# Altium PCB Main - Backup.PcbDoc (part 1 of 4) (continued)
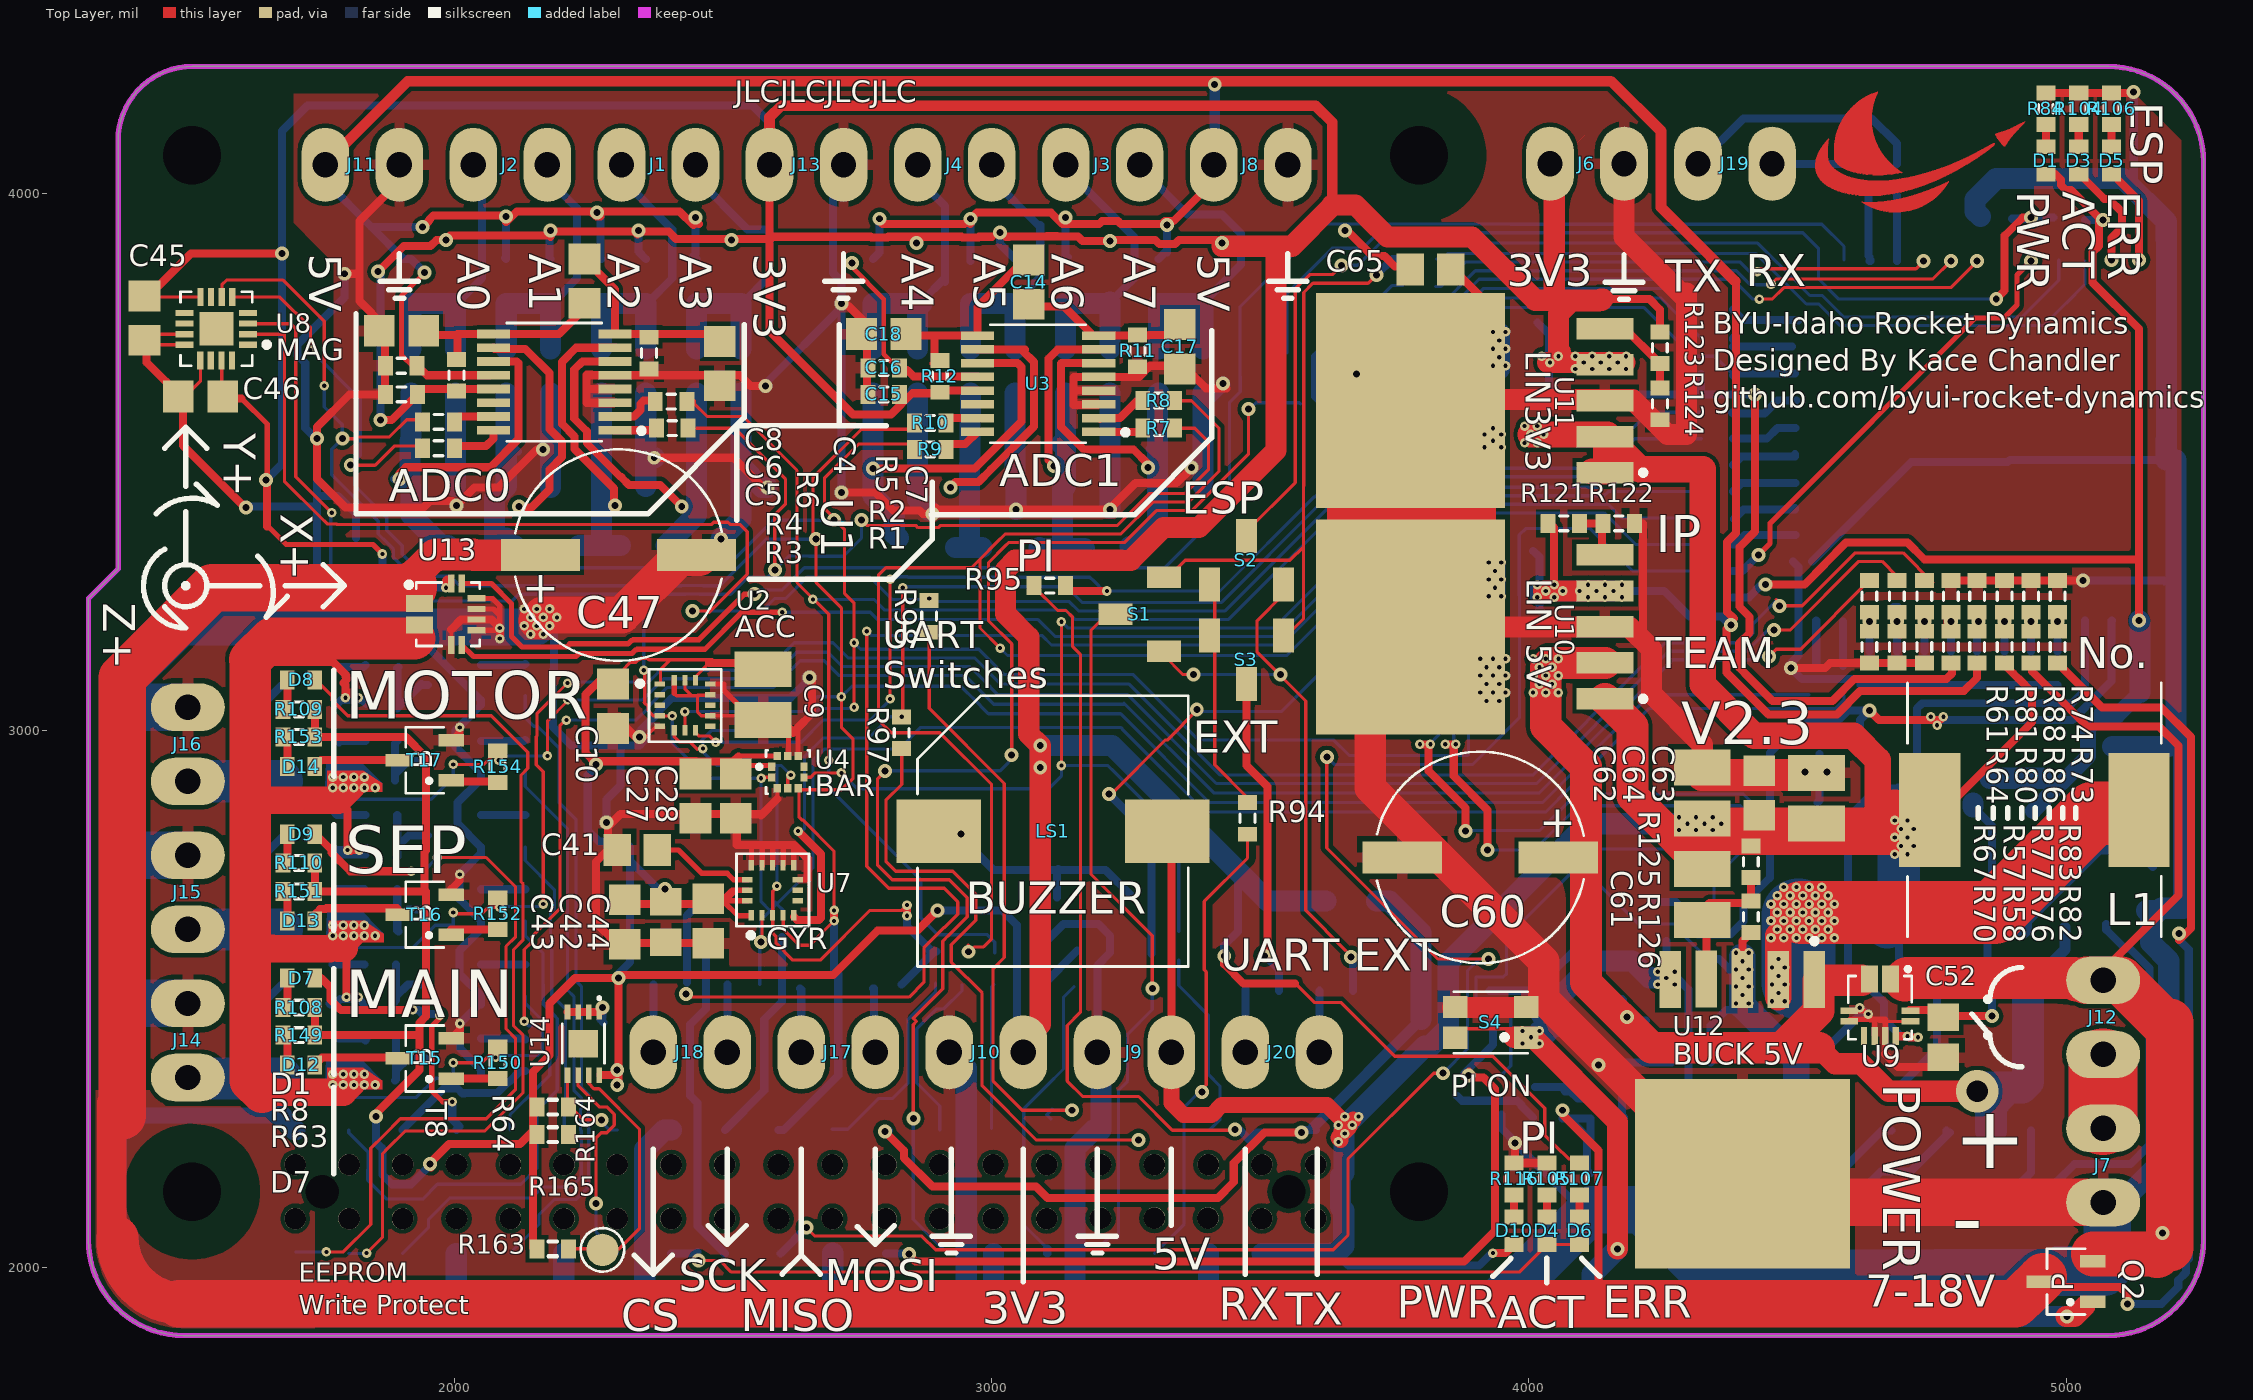
[diagram p0: Top Layer view]
## Components (designator, comment, footprint, x,y, rotation, side; value= is the part's Value field where it differs from the comment) (continued)
D14 "LED_B" "0402 footprint" 1714.57,2933.07 r0 top locked (schematic designator D3)
J1 "Screw Terminal" "SCREW TERMINAL" 2448.82,4053.15 r90 top locked
J2 "Screw Terminal" "SCREW TERMINAL" 2173.23,4053.15 r90 top locked
J3 "Screw Terminal" "SCREW TERMINAL" 3275.59,4053.15 r90 top locked (schematic designator J1)
J4 "Screw Terminal" "SCREW TERMINAL" 3000,4053.15 r90 top locked (schematic designator J2)
J5 "PiGPIOBreakout" "RPI THROUGH BOARD CONNECTOR" 1511.81,2141.73 r0 top locked (schematic designator J15)
J6 "Screw Terminal" "SCREW TERMINAL" 4177.17,4055.12 r90 top locked (schematic designator J7)
J7 "Screw Terminal" "SCREW TERMINAL" 5068.91,2121.66 r0 top locked (schematic designator J8)
J8 "Screw Terminal" "SCREW TERMINAL" 3551.18,4053.15 r90 top locked (schematic designator J9)
J9 "Screw Terminal" "SCREW TERMINAL" 3196.86,2401.19 r270 top locked (schematic designator J10)
J10 "Screw Terminal" "SCREW TERMINAL" 2921.27,2401.19 r270 top locked (schematic designator J11)
J11 "Screw Terminal" "SCREW TERMINAL" 1897.64,4053.15 r90 top locked (schematic designator J12)
J12 "Screw Terminal" "SCREW TERMINAL" 5068.91,2397.25 r0 top locked (schematic designator J13)
J13 "Screw Terminal" "SCREW TERMINAL" 2724.41,4053.15 r90 top locked (schematic designator J14)
J14 "Screw Terminal" "SCREW TERMINAL" 1503.94,2492.13 r180 top locked (schematic designator J3)
J15 "Screw Terminal" "SCREW TERMINAL" 1503.94,2767.72 r180 top locked (schematic designator J3)
J16 "Screw Terminal" "SCREW TERMINAL" 1503.94,3043.31 r180 top locked (schematic designator J3)
J17 "Screw Terminal" "SCREW TERMINAL" 2645.67,2401.57 r270 top locked (schematic designator J4)
J18 "Screw Terminal" "SCREW TERMINAL" 2370.08,2401.57 r270 top locked (schematic designator J5)
J19 "Screw Terminal" "SCREW TERMINAL" 4452.76,4055.12 r90 top locked (schematic designator J6)
J20 "Screw Terminal" "SCREW TERMINAL" 3472.44,2401.57 r270 top locked (schematic designator J6)
JP1 "Res3" "0603 TO 1210 SMD" 3667.32,2683.07 r180 bottom locked value=1K
L1 "7447709330" INDUCTOR 4940.94,2852.36 r180 top locked
LS1 "CT-1205C-SMT" CUI_CT-1205C-SMT 3114.17,2812.99 r180 top locked
Q1 "P-Channel" "P Channel MOSFET" 5035.43,2679.13 r90 bottom locked (schematic designator Q5)
Q2 "P-Channel" "P Channel MOSFET" 5000,1974.41 r180 top locked (schematic designator Q3)
Q3 "N-Channel" "N Channel MOSFET" 4301.18,2332.68 r270 bottom locked (schematic designator Q4)
Q4 "P-Channel" "P Channel MOSFET" 1732.28,2389.76 r180 bottom locked (schematic designator Q1)
Q5 "P-Channel" "P Channel MOSFET" 1732.28,2527.56 r180 bottom locked (schematic designator Q2)
Q6 "P-Channel" "P Channel MOSFET" 1732.28,2667.32 r180 bottom locked (schematic designator Q1)
Q7 "P-Channel" "P Channel MOSFET" 1732.28,2805.12 r180 bottom locked (schematic designator Q2)
Q8 "P-Channel" "P Channel MOSFET" 1732.09,2942.91 r180 bottom locked (schematic designator Q1)
Q9 "P-Channel" "P Channel MOSFET" 1732.28,3084.65 r180 bottom locked (schematic designator Q2)
R1 "Res3" ? 2405.51,3562.99 r180 top locked value=1K
R2 "Res3" ? 2403.54,3612.2 r180 top locked value=1K
R3 "Res3" ? 1970.47,3525.59 r0 top locked value=1K
R4 "Res3" ? 1970.47,3574.8 r0 top locked value=1K
R5 "Res3" ? 2362.2,3702.76 r270 top locked value=1K
R6 "Res3" ? 2003.94,3661.42 r270 top locked value=1K
R7 "Res3" ? 3311.02,3562.99 r180 top locked value=1K (schematic designator R1)
R8 "Res3" ? 3311.02,3614.17 r180 top locked value=1K (schematic designator R2)
R9 "Res3" ? 2885.83,3523.62 r0 top locked value=1K (schematic designator R3)
R10 "Res3" ? 2885.83,3572.83 r0 top locked value=1K (schematic designator R4)
R11 "Res3" ? 3271.65,3706.69 r270 top locked value=1K (schematic designator R5)
R12 "Res3" ? 2903.54,3659.45 r270 top locked value=1K (schematic designator R6)
R13 "Res3" "0603 TO 0805 SMD" 2779.53,3836.61 r270 bottom locked value="Value depends on use case" (schematic designator R51)
R14 "Res3" "0603 TO 0805 SMD" 2862.2,3836.61 r270 bottom locked value="Value depends on use case" (schematic designator R52)
R15 "Res3" "0603 TO 0805 SMD" 2779.53,3669.29 r90 bottom locked value="Value depends on use case" (schematic designator R53)
R16 "Res3" "0603 TO 0805 SMD" 2820.87,3452.76 r0 bottom locked value="Value depends on use case" (schematic designator R54)
R17 "Res3" "0603 TO 0805 SMD" 2862.2,3669.29 r270 bottom locked value="Value depends on use case" (schematic designator R55)
R18 "Res3" "0603 TO 0805 SMD" 1919.29,3836.61 r270 bottom locked value="Value depends on use case" (schematic designator R51)
R19 "Res3" "0603 TO 0805 SMD" 2001.97,3836.61 r270 bottom locked value="Value depends on use case" (schematic designator R52)
R20 "Res3" "0603 TO 0805 SMD" 1919.29,3669.29 r90 bottom locked value="Value depends on use case" (schematic designator R53)
R21 "Res3" "0603 TO 0805 SMD" 1960.63,3454.72 r0 bottom locked value="Value depends on use case" (schematic designator R54)
R22 "Res3" "0603 TO 0805 SMD" 2001.97,3669.29 r270 bottom locked value="Value depends on use case" (schematic designator R55)
R23 "Res3" "0603 TO 0805 SMD" 2960.63,3836.61 r270 bottom locked value="Value depends on use case" (schematic designator R51)
R24 "Res3" "0603 TO 0805 SMD" 3043.31,3836.61 r270 bottom locked value="Value depends on use case" (schematic designator R52)
R25 "Res3" "0603 TO 0805 SMD" 2960.63,3669.29 r90 bottom locked value="Value depends on use case" (schematic designator R53)
R26 "Res3" "0603 TO 0805 SMD" 3001.97,3456.69 r0 bottom locked value="Value depends on use case" (schematic designator R54)
R27 "Res3" "0603 TO 0805 SMD" 3043.31,3669.29 r270 bottom locked value="Value depends on use case" (schematic designator R55)
R28 "Res3" "0603 TO 0805 SMD" 2096.46,3836.61 r270 bottom locked value="Value depends on use case" (schematic designator R51)
R29 "Res3" "0603 TO 0805 SMD" 2179.13,3836.61 r270 bottom locked value="Value depends on use case" (schematic designator R52)
R30 "Res3" "0603 TO 0805 SMD" 2096.46,3669.29 r90 bottom locked value="Value depends on use case" (schematic designator R53)
R31 "Res3" "0603 TO 0805 SMD" 2137.8,3454.72 r0 bottom locked value="Value depends on use case" (schematic designator R54)
R32 "Res3" "0603 TO 0805 SMD" 2179.13,3669.29 r270 bottom locked value="Value depends on use case" (schematic designator R55)
R33 "Res3" "0603 TO 0805 SMD" 3137.8,3836.61 r270 bottom locked value="Value depends on use case" (schematic designator R51)
R34 "Res3" "0603 TO 0805 SMD" 3220.47,3836.61 r270 bottom locked value="Value depends on use case" (schematic designator R52)
R35 "Res3" "0603 TO 0805 SMD" 3137.8,3669.29 r90 bottom locked value="Value depends on use case" (schematic designator R53)
R36 "Res3" "0603 TO 0805 SMD" 3179.13,3456.69 r0 bottom locked value="Value depends on use case" (schematic designator R54)
R37 "Res3" "0603 TO 0805 SMD" 3220.47,3669.29 r270 bottom locked value="Value depends on use case" (schematic designator R55)
R38 "Res3" "0603 TO 0805 SMD" 2273.62,3836.61 r270 bottom locked value="Value depends on use case" (schematic designator R51)
R39 "Res3" "0603 TO 0805 SMD" 2356.3,3836.61 r270 bottom locked value="Value depends on use case" (schematic designator R52)
R40 "Res3" "0603 TO 0805 SMD" 2273.62,3669.29 r90 bottom locked value="Value depends on use case" (schematic designator R53)
R41 "Res3" "0603 TO 0805 SMD" 2314.96,3454.72 r0 bottom locked value="Value depends on use case" (schematic designator R54)
R42 "Res3" "0603 TO 0805 SMD" 2356.3,3669.29 r270 bottom locked value="Value depends on use case" (schematic designator R55)
R43 "Res3" "0603 TO 0805 SMD" 3311.02,3836.61 r270 bottom locked value="Value depends on use case" (schematic designator R51)
R44 "Res3" "0603 TO 0805 SMD" 3393.7,3836.61 r270 bottom locked value="Value depends on use case" (schematic designator R52)
R45 "Res3" "0603 TO 0805 SMD" 3311.02,3669.29 r90 bottom locked value="Value depends on use case" (schematic designator R53)
R46 "Res3" "0603 TO 0805 SMD" 3352.36,3456.69 r0 bottom locked value="Value depends on use case" (schematic designator R54)
R47 "Res3" "0603 TO 0805 SMD" 3393.7,3669.29 r270 bottom locked value="Value depends on use case" (schematic designator R55)
R48 "Res3" "0603 TO 0805 SMD" 2450.79,3836.61 r270 bottom locked value="Value depends on use case" (schematic designator R51)
R49 "Res3" "0603 TO 0805 SMD" 2533.46,3836.61 r270 bottom locked value="Value depends on use case" (schematic designator R52)
R50 "Res3" "0603 TO 0805 SMD" 2450.79,3669.29 r90 bottom locked value="Value depends on use case" (schematic designator R53)
R51 "Res3" "0603 TO 0805 SMD" 2492.13,3454.72 r0 bottom locked value="Value depends on use case" (schematic designator R54)
R52 "Res3" "0603 TO 0805 SMD" 2533.46,3669.29 r270 bottom locked value="Value depends on use case" (schematic designator R55)
R53 "Res3" ? 3124.02,2519.68 r180 bottom locked value=1K (schematic designator R15)
R54 "Res3" ? 4350.39,3494.09 r180 bottom locked value=1K (schematic designator R16)
R55 "Res3" ? 5001.97,3954.72 r180 bottom locked value=1K (schematic designator R17)
R56 "Res3" ? 3600.39,3610.24 r180 bottom locked value=1K (schematic designator R18)
R57 "Res3" ? 4736.22,3250 r90 top locked value=1K (schematic designator R19)
R58 "Res3" ? 4736.22,3155.51 r90 top locked value=1K (schematic designator R20)
R59 "Res3" ? 4350.39,3787.4 r0 bottom locked value=1K (schematic designator R21)
R60 "Res3" ? 3795.28,3828.74 r0 bottom locked value=1K (schematic designator R22)
R61 "Res3" ? 4685.04,3249.99 r90 top locked value=1K (schematic designator R23)
R62 "Res3" ? 4535.43,3096.46 r90 bottom locked value=1K (schematic designator R24)
R63 "Res3" ? 4350.39,3346.46 r0 bottom locked value=1K (schematic designator R25)
R64 "Res3" ? 4685.04,3155.5 r90 top locked value=1K (schematic designator R26)
R65 "Res3" ? 4584.65,3096.46 r90 bottom locked value=1K (schematic designator R27)
R66 "Res3" ? 4350.39,3730.32 r0 bottom locked value=1K (schematic designator R28)
R67 "Res3" ? 4633.86,3249.99 r90 top locked value=1K (schematic designator R29)
R68 "Res3" ? 5114.17,3131.89 r180 bottom locked value=1K (schematic designator R30)
R69 "Res3" ? 3795.28,3779.53 r0 bottom locked value=1K (schematic designator R31)
R70 "Res3" ? 4633.86,3155.5 r90 top locked value=1K (schematic designator R32)
R71 "Res3" ? 3795.28,3730.32 r0 bottom locked value=1K (schematic designator R33)
R72 "Res3" ? 3933.07,2486.22 r90 bottom locked value=1K (schematic designator R34)
R73 "Res3" ? 4984.25,3155.51 r270 top locked value=1K (schematic designator R35)
R74 "Res3" ? 4984.25,3250 r270 top locked value=1K (schematic designator R36)
R75 "Res3" ? 3795.28,3877.95 r180 bottom locked value=1K (schematic designator R37)
R76 "Res3" ? 4834.65,3155.51 r270 top locked value=1K (schematic designator R38)
R77 "Res3" ? 4834.65,3250 r270 top locked value=1K (schematic designator R39)
R78 "Res3" ? 4350.39,3543.31 r180 bottom locked value=1K (schematic designator R40)
R79 "Res3" ? 4350.39,3592.52 r180 bottom locked value=1K (schematic designator R41)
R80 "Res3" ? 4785.43,3155.51 r270 top locked value=1K (schematic designator R42)
R81 "Res3" ? 4785.43,3250 r270 top locked value=1K (schematic designator R43)
R82 "Res3" ? 4935.04,3155.51 r270 top locked value=1K (schematic designator R44)
R83 "Res3" ? 4935.04,3250 r270 top locked value=1K (schematic designator R45)
R84 "Res3" ? 4962.6,4157.48 r270 top locked value=1K (schematic designator R46)
R85 "Res3" J1-0603 4350.39,3248.03 r180 bottom locked value=1K (schematic designator R47)
R86 "Res3" ? 4885.83,3155.51 r270 top locked value=1K (schematic designator R48)
R87 "Res3" ? 4350.39,3297.24 r180 bottom locked value=1K (schematic designator R49)
R88 "Res3" ? 4885.83,3250 r270 top locked value=1K (schematic designator R50)
R89 "Res3" "0603 to 0805 SMD" 4937.01,2135.83 r270 bottom locked value=1K (schematic designator R74)
R90 "Res3" "0603 TO 0805 SMD" 4935.04,2297.24 r270 bottom locked value=1K (schematic designator R75)
R91 "Res3" "0603 TO 0805 SMD" 4818.9,2255.91 r0 bottom locked value=1K (schematic designator R76)
R92 "Res3" "0603 TO 0805 SMD" 4673.23,2137.8 r270 bottom locked value=1K (schematic designator R77)
R93 "Res3" "0603 TO 0805 SMD" 4675.2,2297.24 r270 bottom locked value=1K (schematic designator R78)
R94 "Res3" ? 3476.38,2836.61 r270 top locked value=1K (schematic designator R87)
R95 "Res3" ? 3108.27,3269.68 r0 top locked value=1K (schematic designator R88)
R96 "Res3" ? 3348.43,2598.43 r90 bottom locked value=1K (schematic designator R89)
R97 "Res3" ? 2832.68,2996.06 r90 top locked value=1K (schematic designator R90)
R98 "Res3" ? 2883.86,3212.6 r90 top locked value=1K (schematic designator R91)
R99 "Res3" ? 3003.94,2559.06 r90 bottom locked value=1K (schematic designator R92)
R100 "Res3" ? 2946.85,2559.06 r90 bottom locked value=1K (schematic designator R93)
R101 "Res3" ? 2897.64,2559.06 r90 bottom locked value=1K (schematic designator R94)
R102 "Res3" ? 2610.24,2647.64 r90 bottom locked value=1K (schematic designator R95)
R103 "Res3" ? 2468.5,2645.67 r270 bottom locked value=1K (schematic designator R96)
R104 "Res3" ? 5023.62,4157.48 r270 top locked value=1K (schematic designator R7)
R105 "Res3" ? 4033.46,2165.35 r270 top locked value=1K (schematic designator R7)
R106 "Res3" ? 5084.65,4157.48 r270 top locked value=1K (schematic designator R7)
R107 "Res3" ? 4094.49,2165.35 r90 top locked value=1K (schematic designator R80)
R108 "Res3" ? 1710.63,2484.25 r0 top locked value=1K (schematic designator R80)
R109 "Res3" ? 1710.63,3039.37 r0 top locked value=1K (schematic designator R80)
R110 "Res3" ? 1710.63,2753.94 r0 top locked value=1K (schematic designator R80)
R111 "Res3" "0603 FOOTPRINT" 5120.08,2017.72 r0 bottom locked value=1K (schematic designator R58)
R112 "Res3" "0603 FOOTPRINT" 4141.73,2179.13 r0 bottom locked value=1K (schematic designator R59)
R113 "Res3" "0603 FOOTPRINT" 4049.21,2318.9 r270 bottom locked value=1K (schematic designator R60)
R114 "Res3" "0603 FOOTPRINT" 4141.73,2519.68 r0 bottom locked value=1K (schematic designator R61)
R115 "Res3" "0603 FOOTPRINT" 4163.39,1954.72 r0 bottom locked value=10 (schematic designator R62)
R116 "Res3" "0603 FOOTPRINT" 3972.44,2165.36 r270 top locked value=1K (schematic designator R63)
R117 "Res3" "0603 FOOTPRINT" 4350.39,3444.88 r0 bottom locked value=1K (schematic designator R64)
R118 "Res3" "0603 FOOTPRINT" 4161.42,2314.96 r0 bottom locked value=1K (schematic designator R65)
R119 "Res3" "0603 FOOTPRINT" 3998.03,2320.87 r90 bottom locked value=1K (schematic designator R66)
R120 "Res3" "0603 FOOTPRINT" 4350.39,3395.67 r180 bottom locked value=1K (schematic designator R67)
R121 "Res3" ? 4064.96,3385.83 r180 top locked value=1K (schematic designator R81)
R122 "Res3" ? 4167.32,3385.83 r180 top locked value=1K (schematic designator R82)
R123 "Res3" ? 4244.08,3712.59 r90 top locked value=1K (schematic designator R83)
R124 "Res3" ? 4244.09,3608.27 r90 top locked value=1K (schematic designator R84)
R125 "Res3" ? 4413.39,2755.91 r270 top locked value=1K (schematic designator R85)
R126 "Res3" ? 4413.39,2653.54 r270 top locked value=1K (schematic designator R86)
R127 "Res3" ? 4350.39,3663.39 r180 bottom locked value=1K (schematic designator R79)
R128 "Res3" ? 1862.2,2427.17 r180 bottom locked value=10 (schematic designator R8)
R129 "Res3" ? 1604.33,2423.23 r270 bottom locked value=1K (schematic designator R9)
R130 "Res3" ? 1862.2,2352.36 r0 bottom locked value=1K (schematic designator R10)
R131 "Res3" ? 2131.89,2395.67 r90 bottom locked value=1K (schematic designator R11)
R132 "Res3" ? 1862.2,2564.96 r180 bottom locked value=1K (schematic designator R12)
R133 "Res3" ? 1862.2,2490.16 r0 bottom locked value=1K (schematic designator R13)
R134 "Res3" ? 2131.89,2535.43 r90 bottom locked value=1K (schematic designator R14)
R135 "Res3" ? 1864.17,2704.72 r180 bottom locked value=10 (schematic designator R8)
R136 "Res3" ? 1604.33,2700.79 r270 bottom locked value=1K (schematic designator R9)
R137 "Res3" ? 1862.2,2627.95 r0 bottom locked value=1K (schematic designator R10)
R138 "Res3" ? 2131.89,2675.2 r90 bottom locked value=1K (schematic designator R11)
R139 "Res3" ? 1864.17,2842.52 r180 bottom locked value=1K (schematic designator R12)
R140 "Res3" ? 1864.17,2769.68 r0 bottom locked value=1K (schematic designator R13)
R141 "Res3" ? 2131.89,2812.99 r90 bottom locked value=1K (schematic designator R14)
R142 "Res3" ? 1864.17,2980.32 r180 bottom locked value=10 (schematic designator R8)
R143 "Res3" ? 1604.33,2980.32 r270 bottom locked value=1K (schematic designator R9)
R144 "Res3" ? 1864.17,2905.51 r0 bottom locked value=1K (schematic designator R10)
R145 "Res3" ? 2131.89,2952.76 r90 bottom locked value=1K (schematic designator R11)
R146 "Res3" ? 1864.17,3122.05 r180 bottom locked value=1K (schematic designator R12)
R147 "Res3" ? 1864.17,3047.24 r0 bottom locked value=1K (schematic designator R13)
R148 "Res3" ? 2131.89,3094.49 r90 bottom locked value=1K (schematic designator R14)
R149 "Res3" ? 1710.63,2433.07 r0 top locked value=1K (schematic designator R56)
R150 "Res3" ? 2080.71,2381.89 r270 top locked value=1K (schematic designator R57)
R151 "Res3" ? 1710.63,2700.79 r0 top locked value=1K (schematic designator R56)
R152 "Res3" ? 2080.71,2659.45 r270 top locked value=1K (schematic designator R57)
R153 "Res3" ? 1710.63,2988.19 r0 top locked value=1K (schematic designator R56)
R154 "Res3" ? 2080.71,2933.07 r270 top locked value=1K (schematic designator R57)
R155 "Res3" "0603 FOOTPRINT" 2803.15,2527.56 r180 bottom locked value=1K (schematic designator R68)
R156 "Res3" "0603 FOOTPRINT" 2677.17,2527.56 r180 bottom locked value=1K (schematic designator R69)
R157 "Res3" "0603 FOOTPRINT" 2539.37,2527.56 r180 bottom locked value=1K (schematic designator R70)
R158 "Res3" "0603 FOOTPRINT" 2401.57,2527.56 r180 bottom locked value=1K (schematic designator R71)
R159 "Res3" "0603 FOOTPRINT" 4685.04,4023.62 r90 bottom locked value=0-40 (schematic designator R72)
R160 "Res3" "0603 FOOTPRINT" 4631.89,4023.62 r90 bottom locked value=0-40 (schematic designator R73)
R161 "Res3" "0603 FOOTPRINT" 3641.34,2515.75 r180 bottom locked value=0-40 (schematic designator R72)
R162 "Res3" "0603 FOOTPRINT" 3503.54,2515.75 r180 bottom locked value=0-40 (schematic designator R73)
R163 "Res3" "0603 Footprint" 2183.07,2035.43 r180 top locked value=1K (schematic designator R97)
R164 "Res3" "0603 Footprint" 2183.07,2299.21 r180 top locked value=3.9K (schematic designator R98)
R165 "Res3" "0603 Footprint" 2183.07,2248.03 r180 top locked value=3.9K (schematic designator R99)
S1 "Slide Switch" "CJS Micro switch" 3250,3147.64 r90 top locked
S2 "Slide Switch" "CJS Micro switch" 3405.51,3342.52 r0 top locked
S3 "Slide Switch" "CJS Micro switch" 3543.31,3106.3 r180 top locked
S4 "434153017835" *434153017835 3929.13,2456.69 r180 top locked
T1 "MMBT2222ALT1" BJT 3122.05,2639.76 r90 bottom locked (schematic designator T3)
T2 "MMBT2222ALT1" BJT 3257.87,2639.96 r90 bottom locked (schematic designator T4)
T3 "MMBT2222ALT1" BJT 3596.46,3702.76 r180 bottom locked (schematic designator T5)
T4 "MMBT2222ALT1" BJT 4169.29,2687.01 r0 bottom locked (schematic designator T6)
T5 "MMBT2222ALT1" BJT 4818.9,2133.86 r0 bottom locked (schematic designator T10)
T6 "MMBT2222ALT1" BJT 4553.35,2127.95 r0 bottom locked (schematic designator T11)
T7 "MMBT2222ALT1" BJT 4295.28,2610.24 r180 bottom locked (schematic designator T8)
T8 "MMBT2222ALT1" BJT 3891.73,2320.87 r180 bottom locked (schematic designator T9)
T9 "MMBT2222ALT1" BJT 2000.2,2389.76 r180 bottom locked (schematic designator T1)
T10 "MMBT2222ALT1" BJT 2000.2,2527.56 r180 bottom locked (schematic designator T2)
T11 "MMBT2222ALT1" BJT 1999.8,2667.32 r180 bottom locked (schematic designator T1)
T12 "MMBT2222ALT1" BJT 1999.8,2805.12 r180 bottom locked (schematic designator T2)
T13 "MMBT2222ALT1" BJT 1998.03,2944.88 r180 bottom locked (schematic designator T1)
T14 "MMBT2222ALT1" BJT 1999.8,3084.65 r180 bottom locked (schematic designator T2)
T15 "MMBT2222ALT1" BJT 1945.08,2389.76 r180 top locked (schematic designator T7)
T16 "MMBT2222ALT1" BJT 1944.88,2657.48 r180 top locked (schematic designator T7)
T17 "MMBT2222ALT1" BJT 1945.08,2944.88 r180 top locked (schematic designator T7)
U1 "Analog to Digital Converter" SOP65P640X120-16N 2185.83,3648.62 r180 top locked (schematic designator U2)
U2 "LIS3DSHTR" L3GD20HTR 2429.13,3047.24 r0 top locked (schematic designator U1)
U3 "Analog to Digital Converter" SOP65P640X120-16N 3086.61,3645.67 r180 top locked (schematic designator U2)
U4 "BMP388" PQFN50P200X200X80-10N 2620.67,2922.83 r0 top locked (schematic designator U3)
U5 "3.3V Regulator" *DPAK229P990X238-4N 4956.69,2881.89 r270 bottom locked (schematic designator U6)
U6 "ESP32-WROOM-32D" *MODULE_ESP32-WROOM-32D 4977.95,3539.37 r90 bottom locked (schematic designator U7)
U7 "L3GD20H" L3GD20HTR 2592.13,2702.76 r90 top locked (schematic designator U4)
U8 "MLX90393" QFN-16_WITH_AXIES 1557.09,3748.03 r270 top locked (schematic designator U5)
U9 "ACS70331EESATR-005B3" *XDCR_ACS70331EESATR-005B3 4653.54,2484.25 r270 top locked (schematic designator U8)
U10 "Linear Regulator" *TO170P1435X465-6N 3785.53,3192.91 r90 top locked
U11 "Linear Regulator" *TO170P1435X465-6N 3785.53,3614.17 r90 top locked
U12 "LM2596SX-ADJ/NOPB" *TO170P1435X465-6N 4397.64,2181.1 r180 top locked
U13 "ACS711KEXLT-15AB-T" *SENSOR_ACS711KEXLT-15AB-T 1988.19,3216.54 r0 top locked (schematic designator U9)
U14 "CAT24C128" EEPROM 2240.16,2417.32 r270 top locked (schematic designator U13)

## Footprints (in the part's own frame and the unit in brackets; to place one, negate y for a bottom-side part, rotate by r counter-clockwise, add the part's x,y. Pads: shape width x height; smd on the part's side, far side on the other; paste and mask are expansions set on the pad)
"0402 footprint" [mm]
  rect 0.7x0.9 smd: 1(-0.65,0) 2(0.65,0)
  body extent -0.8,-0.35 0.8,0.35, height 0.25
"0603 FOOTPRINT" [mm]
  rect 0.7x0.9 smd: 1(-0.75,0) 2(0.75,0)
  silkscreen extent -0.2,-0.35 0.2,0.35, body extent -0.85,-0.48 0.85,0.48, height 0.9
"0603 Footprint" [mm]
  rect 0.7x0.9 smd: 1(-0.75,0) 2(0.75,0)
  silkscreen extent -0.2,-0.35 0.2,0.35, body extent -0.85,-0.48 0.85,0.48, height 0.9
"0603 TO 0805 SMD" [mm]
  rect 1.45x1.5 smd: 1(-1.05,0) 2(1.05,0)
  body extent -1.18,-0.6 1.19,0.6, height 0.25
"0603 to 0805 SMD" [mm]
  rect 1.45x1.5 smd: 1(-1.05,0) 2(1.05,0)
  body extent -1.18,-0.6 1.19,0.6, height 0.25
"0603 to 1210 SMD" [mm]
  rect 1.7x2.692 smd: 1(-1.2,0) 2(1.2,0)
  body extent -1.7,-1.05 1.7,1.1, height 1.27
"0603 TO 1210 SMD" [mm] "Chip Resistor, Body 1.6x0.8mm, IPC High Density"
  rect 1.7x2.692 smd: 1(-1.2,0) 2(1.2,0)
  body extent -1.7,-1.05 1.7,1.1, height 1.27
"0805 Footprint" [mm]
  rect 1.3x1.5 smd: 1(-0.95,0) 2(0.95,0)
  body extent -1.15,-0.6 1.15,0.6, height 1.27
*434153017835 [mm] "Pushbutton NO"
  rect 1.15x1.05 smd: 1(-1.675,0.725) 2(-1.675,-0.725) 3(1.675,0.725) 4(1.675,-0.725)
  silkscreen extent -1.75,-1.45 1.75,1.45
*DO-214AC [mm]
  rect 1.7x3.2 smd: 1(4.4,0) 2(-2.025,0)
  silkscreen extent -0.87,-1.3 3.25,1.3, body extent -2.36,-3.1 4.8,3.13, height 2.62
*DPAK229P990X238-4N [mm]
  rect 0.97x2.83 smd: 1(-2.29,-4.14) 3(2.29,-4.14)
  rect 5.63x6.09 smd: 2(0,2.51)
  silkscreen extent -1.47,-4.28 -1.23,-4.03
*MODULE_ESP32-WROOM-32D [mm]
  rect 2x0.9 smd: 1(-8.5,5.26) 2(-8.5,3.99) 3(-8.5,2.72) 4(-8.5,1.45) 5(-8.5,0.18) 6(-8.5,-1.09) 7(-8.5,-2.36) 8(-8.5,-3.63) 9(-8.5,-4.9) 10(-8.5,-6.17) 11(-8.5,-7.44) 12(-8.5,-8.71) 13(-8.5,-9.98) 14(-8.5,-11.25) 25(8.5,-11.25) 26(8.5,-9.98) 27(8.5,-8.71) 28(8.5,-7.44) 29(8.5,-6.17) 30(8.5,-4.9) 31(8.5,-3.63) 32(8.5,-2.36) 33(8.5,-1.09) 34(8.5,0.18) 35(8.5,1.45) 36(8.5,2.72) 37(8.5,3.99) 38(8.5,5.26)
  rect 0.9x2 smd: 15(-5.715,-12.25) 16(-4.445,-12.25) 17(-3.175,-12.25) 18(-1.905,-12.25) 19(-0.635,-12.25) 20(0.635,-12.25) 21(1.905,-12.25) 22(3.175,-12.25) 23(4.445,-12.25) 24(5.715,-12.25)
  rect 5x5 smd: 39(-1,-2.24)
  silkscreen extent -9,-12.75 9,6.35, body extent -8.95,-12.7 8.95,12.7, height 3.1
*SENSOR_ACS711KEXLT-15AB-T [mm]
  rect 1.27x0.8 smd: 1(-1.35,0.5) 3(-1.35,-0.5)
  rect 0.3x0.85 smd: 5(0.15,-1.45) 6(0.65,-1.45) 11(0.65,1.45) 12(0.15,1.45)
  rect 0.85x0.3 smd: 7(1.35,-0.75) 8(1.35,-0.25) 9(1.35,0.25) 10(1.35,0.75)
  silkscreen extent -1.95,-1.5 1.5,1.5, body extent -1.4,-1.4 1.4,1.4, height 1
*TO170P1435X465-6N [mil]
  rect 40x106 smd: 1(-134,-356) 2(-67,-356) 3(0,-356) 4(66.93,-356.3) 5(134,-356)
  rect 400x352 smd: 6(0,6)
  silkscreen extent -139,-432 -129,-422, body extent -319,-396 201,197, height 180
*XDCR_ACS70331EESATR-005B3 [mm]
  rect 1.27x0.8 smd: 1(-1.35,0.5) 3(-1.35,-0.5)
  rect 0.3x0.85 smd: 5(0.15,-1.45) 6(0.65,-1.45) 11(0.65,1.45) 12(0.15,1.45)
  rect 0.85x0.3 smd: 7(1.35,-0.75) 8(1.35,-0.25) 9(1.35,0.25) 10(1.35,0.75)
  silkscreen extent -1.92,-1.5 1.5,1.5, body extent -1.4,-1.4 1.4,1.4, height 1.27
BJT [mm]
  rect 1.21x0.59 smd: 1(-1.255,0.95) 2(-1.255,-0.95) 3(1.255,0)
  silkscreen extent -0.9,-1.56 0.9,1.56, body extent -0.9,-1.6 0.9,1.55, height 1
"CJS Micro switch" [mm] "DIP- style shrouded switch"
  rect 1x1.6 smd: 1(0,-1.8) 2(3.5,-1.8) 3(1.75,0.5)
  body extent -1.05,-1.94 5.85,0.64, height 2.5
CUI_CT-1205C-SMT [mm]
  rect 4x3 smd: 1(5.4,0) 2(-5.4,0)
  silkscreen extent -6.4,-6.4 6.4,6.4, body extent -6.45,-6.4 6.4,6.4, height 10
EEPROM [mm]
  rect 0.71x0.27 smd mask+0.12: 1(-1.495,0.75) 2(-1.495,0.25) 3(-1.495,-0.25) 4(-1.495,-0.75) 5(1.495,-0.75) 6(1.495,-0.25) 7(1.495,0.25) 8(1.495,0.75)
  rect 1.3x1.4 smd: 9(0,0)
  silkscreen extent -2.22,-1 0.92,1, body extent -1.51,-1 1.51,1.28, height 1.27
"ELECTROLYTIC CAP" [mm] "EEU-FC1H681"
  rect 3.75x1.5 smd: 1(-3.688,0) 2(3.688,0)
  silkscreen extent -4.88,-5 4.89,5, body extent -5,-5 5,5, height 10.5
INDUCTOR [mm]
  rect 2.9x5.4 smd: 1(-4.95,0) 2(4.95,0)
  silkscreen extent -6,-6 6,6, body extent -6,-6 6,6, height 10
J1-0603 [mm] "Chip Resistor, Body 1.6x0.8mm, IPC High Density"
  rect 0.7x0.9 smd: 1(-0.75,0) 2(0.75,0)
  silkscreen extent -0.2,-0.35 0.2,0.35, body extent -0.85,-0.48 0.85,0.48, height 0.9
L3GD20HTR [mm]
  rect 0.5x0.25 smd mask+0.125: 1(-1.19,1) 2(-1.19,0.5) 3(-1.19,0) 4(-1.19,-0.5) 5(-1.19,-1) 9(1.19,-1) 10(1.19,-0.5) 11(1.19,0) 12(1.19,0.5) 13(1.19,1)
  rect 0.25x0.5 smd mask+0.125: 6(-0.5,-1.19) 7(0,-1.19) 8(0.5,-1.19) 14(0.5,1.19) 15(0,1.19) 16(-0.5,1.19)
  silkscreen extent -2.25,-1.73 1.73,1.7, body extent -1.4,-1.4 1.4,1.4, height 1.27
"N Channel MOSFET" [mm]
  rect 1.21x0.59 smd: 1(-1.255,0.95) 2(-1.255,-0.95) 3(1.255,0)
  silkscreen extent -0.9,-1.56 0.9,1.56, body extent -0.9,-1.6 0.9,1.55, height 1
"P Channel MOSFET" [mm]
  rect 1.21x0.59 smd: 1(-1.255,0.95) 2(-1.255,-0.95) 3(1.255,0)
  silkscreen extent -0.9,-1.56 0.9,1.56, body extent -0.9,-1.6 0.9,1.55, height 1
PQFN50P200X200X80-10N [mm]
  rect 0.35x0.38 smd: 1(-0.765,0.25) 2(-0.765,-0.25) 3(-0.5,-0.765) 4(0,-0.765) 5(0.5,-0.765) 6(0.765,-0.25) 7(0.765,0.25) 8(0.5,0.765) 9(0,0.765) 10(-0.5,0.765)
  silkscreen extent -1.45,-1.03 1.03,1.03, body extent -0.95,-0.95 0.95,0.95, height 1.27
QFN-16_WITH_AXIES [mm]
  rect 0.3x0.85 smd: 1(0.754,1.498) 2(0.254,1.498) 3(-0.246,1.498) 4(-0.746,1.498) 9(-0.746,-1.506) 10(-0.246,-1.506) 11(0.254,-1.506) 12(0.754,-1.506)
  rect 0.85x0.3 smd: 5(-1.508,0.746) 6(-1.508,0.246) 7(-1.508,-0.254) 8(-1.508,-0.754) 13(1.496,-0.764) 14(1.496,-0.264) 15(1.496,0.236) 16(1.496,0.736)
  rect 1.6x1.6 smd mask+0.2: 17(0,0)
  silkscreen extent -1.75,-1.7 1.75,2.5, body extent -1.5,-1.5 1.5,1.5, height 1.27
"RPI THROUGH BOARD CONNECTOR" [mm]
  rect 1.02x1.78 smd far side: 1(53.13,2.921) 2(53.13,-2.921) 3(50.59,2.921) 4(50.59,-2.921) 5(48.05,2.921) 6(48.05,-2.921) 7(45.51,2.921) 8(45.51,-2.921) 9(42.97,2.921) 10(42.97,-2.921) 11(40.43,2.921) 12(40.43,-2.921) 13(37.89,2.921) 14(37.89,-2.921) 15(35.35,2.921) 16(35.35,-2.921) 17(32.81,2.921) 18(32.81,-2.921) 19(30.27,2.921) 20(30.27,-2.921) 21(27.73,2.921) 22(27.73,-2.921) 23(25.19,2.921) 24(25.19,-2.921) 25(22.65,2.921) 26(22.65,-2.921) 27(20.11,2.921) 28(20.11,-2.921) 29(17.57,2.921) 30(17.57,-2.921) 31(15.03,2.921) 32(15.03,-2.921) 33(12.49,2.921) 34(12.49,-2.921) 35(9.95,2.921) 36(9.95,-2.921) 37(7.41,2.921) 38(7.41,-2.921) 39(4.87,2.921) 40(4.87,-2.921)
  round 1.524 hole 2.75 unplated mask+2.25: 41(0,0) 41(0,49) 41(58,0) 41(58,49)
  round 1.02 hole 1.02 unplated mask+0: 41(4.875,-1.275) 41(4.875,1.275) 41(7.425,-1.275) 41(7.425,1.275) 41(9.95,-1.275) 41(9.95,1.275) 41(12.5,-1.275) 41(12.5,1.275) 41(15.05,-1.275) 41(15.05,1.275) 41(17.575,-1.275) 41(17.575,1.275) 41(20.1,-1.275) 41(20.1,1.275) 41(22.65,-1.275) 41(22.65,1.275) 41(25.175,-1.275) 41(25.175,1.275) 41(27.725,-1.275) 41(27.725,1.275) 41(30.275,-1.275) 41(30.275,1.275) 41(32.8,-1.275) 41(32.8,1.275) 41(35.35,-1.275) 41(35.35,1.275) 41(37.875,-1.275) 41(37.875,1.275) 41(40.4,-1.275) 41(40.4,1.275) 41(42.95,-1.25) 41(42.95,1.275) 41(45.5,-1.25) 41(45.5,1.275) 41(48.025,-1.25) 41(48.05,1.275) 41(50.575,-1.275) 41(50.575,1.275) 41(53.125,-1.275) 41(53.125,1.275)
  round 1.524 hole 1.6 unplated mask+0: 41(6.15,0) 41(51.85,0)
  body extent 4,-2 54,2, height 3.55
"SCREW TERMINAL" [mm] "Non-Polarized"
  oval 3.5x2.25 hole 1.2: 1(0,3.5) 2(0,0)
  body extent -3.7,-1.75 4.62,5.25, height 7.02
SOP65P640X120-16N [mm]
  rect 1.57x0.41 smd mask+0.12: 1(-2.87,2.275) 2(-2.87,1.625) 3(-2.87,0.975) 4(-2.87,0.325) 5(-2.87,-0.325) 6(-2.87,-0.975) 7(-2.87,-1.625) 8(-2.87,-2.275) 9(2.87,-2.275) 10(2.87,-1.625) 11(2.87,-0.975) 12(2.87,-0.325) 13(2.87,0.325) 14(2.87,0.975) 15(2.87,1.625) 16(2.87,2.275)
  silkscreen extent -4.25,-2.79 2.25,2.79, body extent -2.2,-2.55 2.25,2.55, height 1.27
? [mm] "Chip Resistor, Body 1.6x0.8mm, IPC High Density"
  rect 0.7x0.9 smd: 1(-0.75,0) 2(0.75,0)
  silkscreen extent -0.2,-0.35 0.2,0.35, body extent -0.85,-0.48 0.85,0.48, height 0.9